# Altium PCB BaseBoard.PcbDoc (part 2 of 3) (continued)
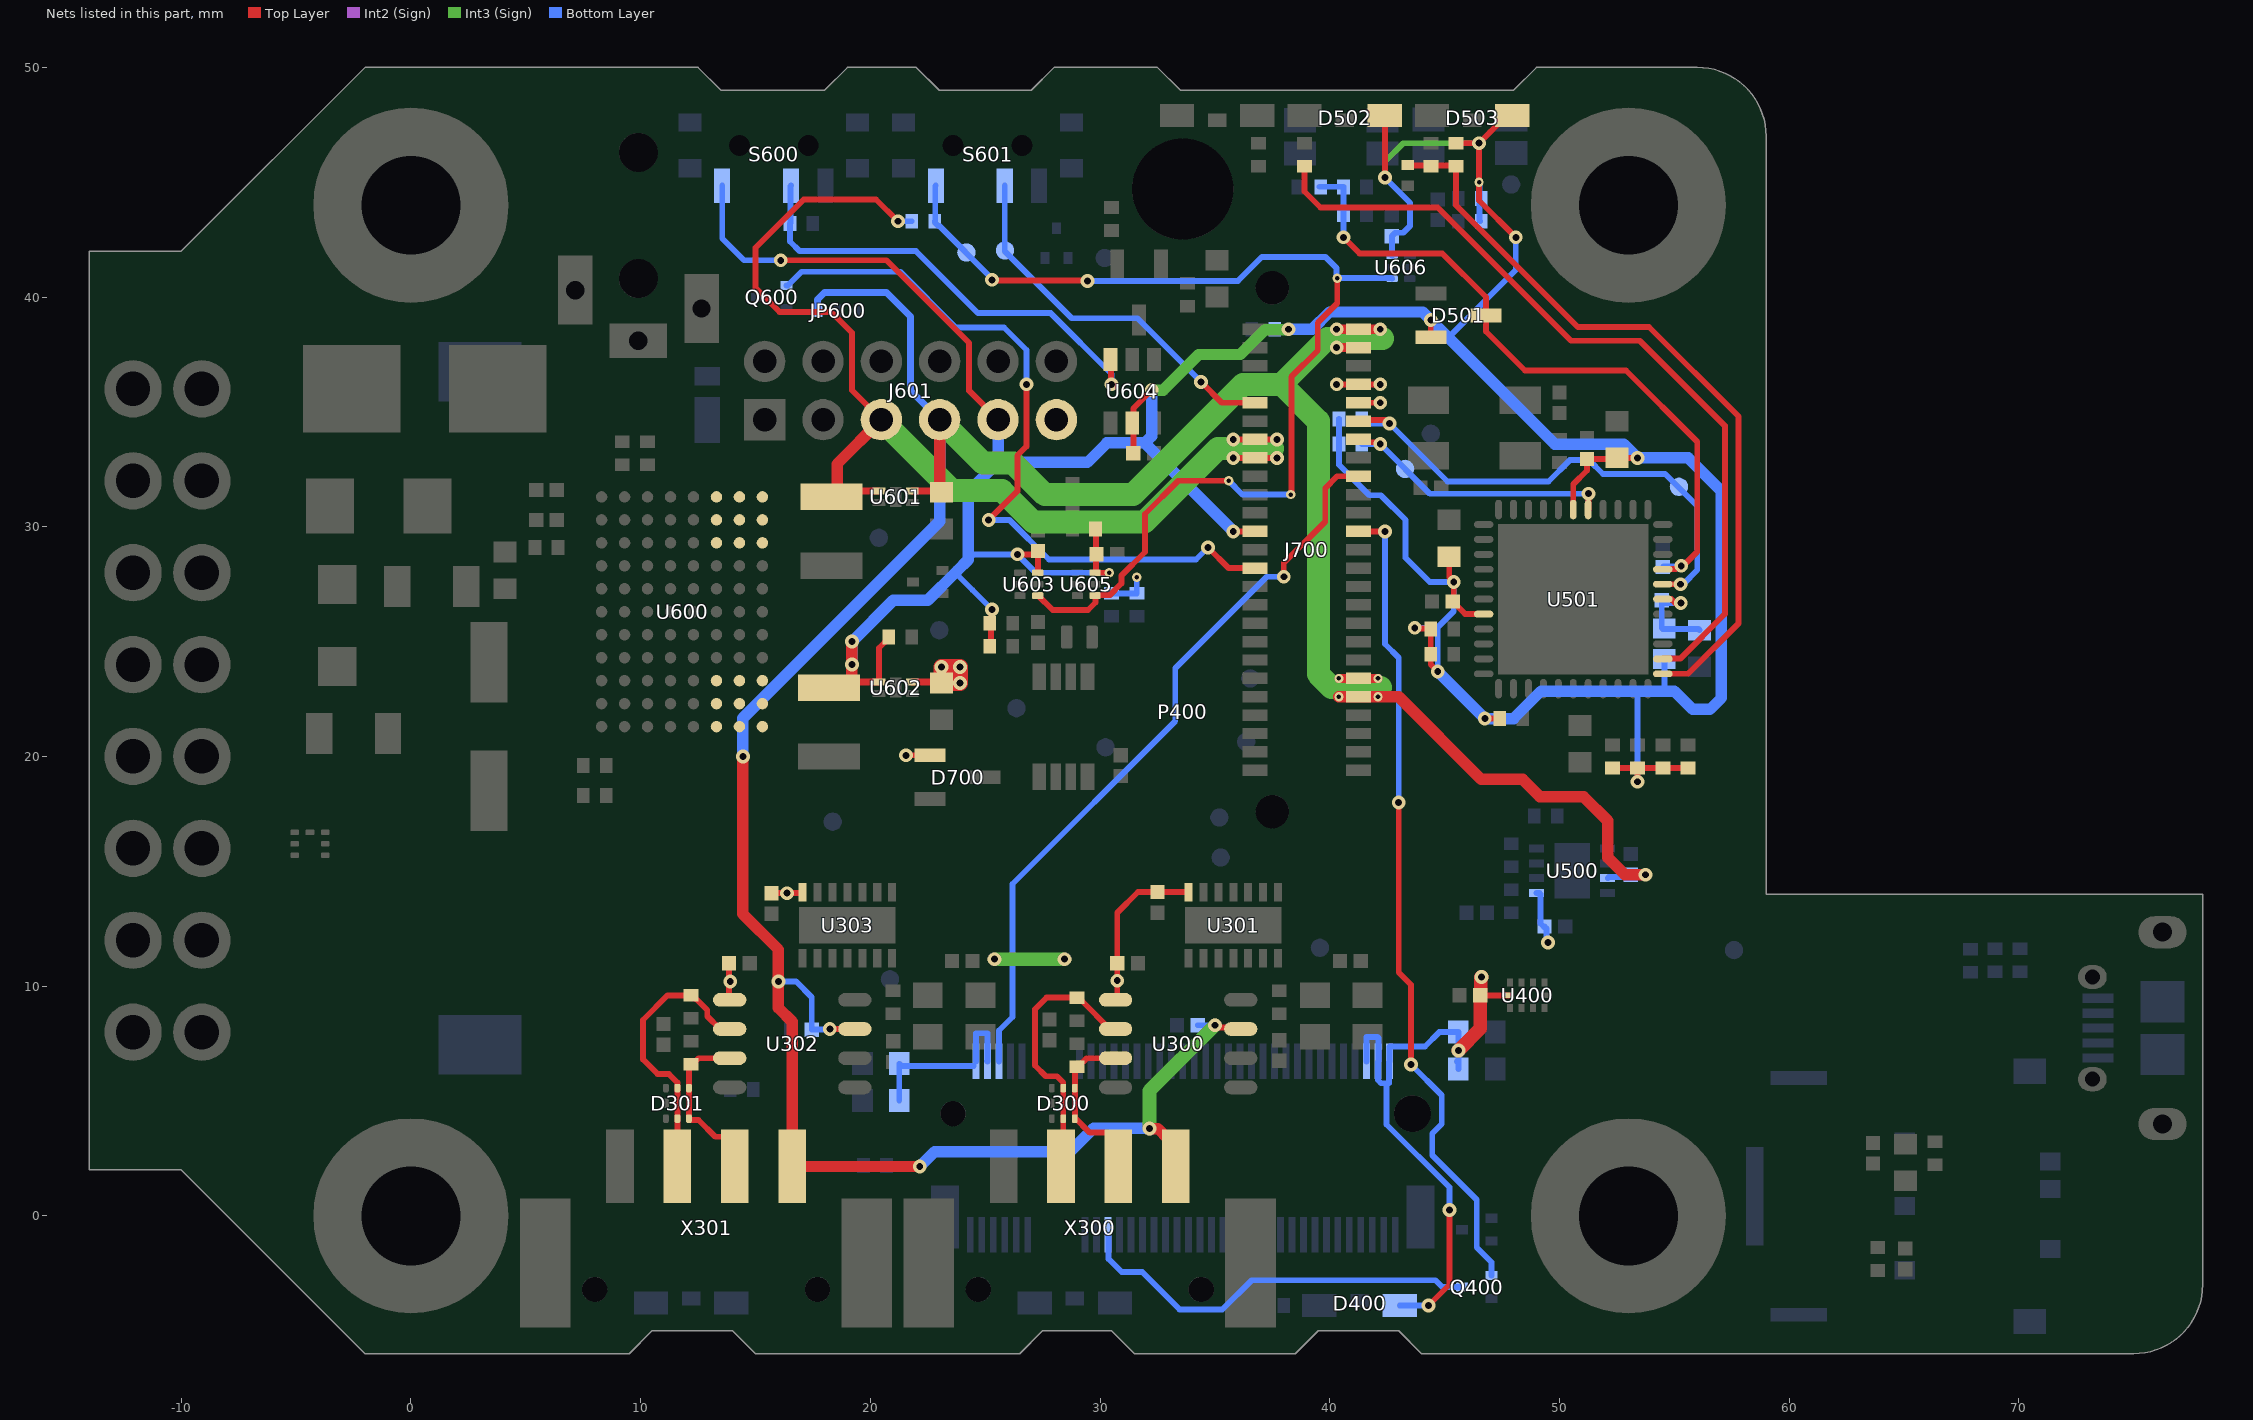
[diagram p4: the nets of this part, all layers, seen from the top]
## Part data (continued)
R507 R510 R512 R516 R517 R518 R519 R520 R604 R608 R609 R610 R614: library part CMP-01074-5, "RC0402 series chip resistor with lead-free terminations made by thick film process", Case=0402, Current Rating=1A, Manufacturer=YAGEO, Manufacturer Part Number=RC0402FR-07100KL, Operating Temperature max=155°C, Operating Temperature min=-55°C, Power Rating=62.5mW, Resistance=100k, Resistance Tolerance=1%, Resistor Element Type="Thick Film", Temperature Coefficient=±100ppm/K, Voltage Rating=50V, Assembly=yes, ComponentLink1Description=Datasheet, ComponentLink1URL=http://www.yageo.com/documents/recent/PYu-RC0402_51_RoHS_L_6.pdf, IPC Footprint Naming=RESC1005X04, Mounting Type=SMT
R603: library part CMP-01034-6, "RC0402 series chip resistor with lead-free terminations made by thick film process", Case="0402 [1005]", Current Rating=1A, Manufacturer=YAGEO, Manufacturer Part Number=RC0402FR-0745K3L, Operating Temperature max=155°C, Operating Temperature min=-55°C, Power Rating=62,5mW, Resistance=45,3k, Resistance Tolerance=1%, Resistor Element Type="Thick Film", Temperature Coefficient=±100ppm/K, Voltage Rating=50V, Assembly=yes, ComponentLink1Description=Datasheet, ComponentLink1URL=http://www.yageo.com/documents/recent/PYu-RC0402_51_RoHS_L_6.pdf, IPC Footprint Naming=RESC1005X04, Mounting Type=SMT
R605: library part CMP-01062-6, "RC0402 series chip resistor with lead-free terminations made by thick film process", Case=0402, Current Rating=1A, Manufacturer=YAGEO, Manufacturer Part Number=RC0402FR-0778K7L, Operating Temperature max=155°C, Operating Temperature min=-55°C, Power Rating=62.5mW, Resistance=78.7k, Resistance Tolerance=1%, Resistor Element Type="Thick Film", Temperature Coefficient=±100ppm/K, Voltage Rating=50V, Assembly=yes, ComponentLink1Description=Datasheet, ComponentLink1URL=http://www.yageo.com/documents/recent/PYu-RC0402_51_RoHS_L_6.pdf, IPC Footprint Naming=RESC1005X04, Mounting Type=SMT
S600 S601: library part CMP-00177-8, "C & K Schiebeschalter PCM12SMTR 1-polig Ein-Ein, 0,3 A @ 6 V dc - Slide Switches 0.3A SPDT ON-ON", Case=PCM12SMTR, Contact Current Rating=300mA, Contact Voltage DC=6V, Manufacturer="C & K", Operating Temperature max=85°C, Operating Temperature min=-20°C, Assembly=yes, ComponentLink1Description=Datasheet, ComponentLink1URL=http://www.ck-components.com/media/1424/pcm.pdf, Contact Form=SPDT, Manufacturer Part Number=PCM12SMTR, Mounting Type=SMT, Number of Position=2, Switch Function="on - on", Switch Type=toggle
SW500 SW600: library part CMP-05618-000001-1, "SWITCH TACTILE SPST-NO 0.05A 12V", Contact Current Rating=50mA, Contact Resistance=500mO, Manufacturer=Panasonic, Operating Force=1.6N, Package=0, Temperature="-20°C to +70°C", Temperature Range High=+70°C, Temperature Range Low=-20°C, Voltage Rating DC=12V, Automotive=No, Category=Switch, ComponentLink2Description=Datasheet, ComponentLink2URL=https://b2b-api.panasonic.eu/file_stream/pids/fileversion/2431, Device Class L1=Electromechanical, Device Class L2=Switches, Device Class L3="Tactile Switches", Digikey Description="SWITCH TACTILE SPST-NO 0.05A 12V", Electromechanical Life=100000Cycles, Height=1.55mm, Lead Free=Yes, Manufacturer Part Number=EVQ-P7J01P, Mount="Surface Mount", Mouser Description="Tactile Switches 3.5x2.9mm Right Ang Light Touch Switch", Octopart=https://octopart.com/evq-p7j01p-panasonic-29917078, RoHS=TRUE, Throw Configuration=SPST-NO
TP300 TP301 TP302 TP303 TP304 TP305 TP306 TP400 TP500 TP501 TP502 TP600 TP601 TP602 TP603 TP604 TP605 TP700 TP701: library part CMP-00390-13, Case="0.8x0.8mm, round", Assembly=no
U300 U302: library part CMP-11035-1, "CAN FD Transceiver with Wake-up Pattern (WUP) Option", Case=SOIC-8, Manufacturer=Microchip, Manufacturer Part Number="MCP2542FD/4FD, MCP2542WFD/4WFD", Operating Temperature max=125°C, Operating Temperature min=-40°C, Supply Voltage max=5,5V, Supply Voltage min=1,7V, Assembly=yes, ComponentLink1Description="Manufacturer Link", ComponentLink1URL=https://www.microchip.com/en-us/product/MCP2542FD, IC Interface Type="CAN FD Transceiver", Mounting Type=SMD
U301 U303: library part CMP-11034-4, "CAN FD Controller with SPI Interface", Case="VDFN14 with exposed pad", Manufacturer=Microchip, Manufacturer Part Number=MCP2518FD, Operating Temperature max=150°C, Operating Temperature min=-40°C, Supply Voltage max=5,5V, Supply Voltage min=2,7V, Assembly=yes, ComponentLink1Description="Manufacturer Link", ComponentLink1URL=https://www.microchip.com/en-us/product/MCP2518FD, IC Interface Type="CAN FD Controller", Mounting Type=SMD, Number of RX Buffers="31 RX/TX combined", Number of TX Buffers="31 RX/TX combined"
U400: library part CMP-11250-2, "Low-Power, Two-Port, High-Speed, USB2.0 (480Mbps) Switch", Case=UQFN10, Manufacturer="ON SEMICONDUCTOR", Manufacturer Part Number=FSUSB43L10X, On State Resistance max=4,5, Operating Temperature max=85°C, Operating Temperature min=-40°C, Supply Voltage max=4,4V, Supply Voltage min=2,4V, Analog Switch Type="USB Two-Port Switch", Assembly=yes, ComponentLink1Description="Manufacturer Link", ComponentLink1URL=https://www.onsemi.com/pdf/datasheet/fsusb43-d.pdf, Mounting Type=SMT, No. of Channels=2:1
U500: library part CMP-06279-000001-1, "IC TRANSCEIVER HALF 1/1 8DFN", Ambient Temperature Range High=+150°C, Ambient Temperature Range Low=-40°C, Manufacturer="Microchip Technology", Max Junction Temp=+190°C, Max Supply Voltage=5.5V, Min Supply Voltage=1.8V, Nominal Supply Current=5-45mA, Package=C04-062, Temperature="-40°C to +125°C", Temperature Range High=+125°C, Automotive=Yes, Automotive Grade="Grade 0", Category=IC, ComponentLink2Description=Datasheet, ComponentLink2URL=http://ww1.microchip.com/downloads/en/DeviceDoc/20005167C.pdf, Device Class L1="Integrated Circuits (ICs)", Device Class L2="Interface ICs", Device Class L3=unset, Digikey Description="IC TRANSCEIVER HALF 1/1 8DFN", Height=1mm, Interface=CAN, Ipc Land Pattern Name=DFN300X300X90-8, Lead Free=Yes, Manufacturer Part Number=MCP2562-E/MF, Mouser Description="CAN Interface IC", Octopart=https://octopart.com/mcp2562-e%2Fmf-microchip-28494619, RoHS=TRUE, Standoff Height=0mm, Temperature Range Low=-40°C
U501: library part CMP-06092-6, "The STN2120 and STN2100 are OBD to UART interpreter ICs designed to provide bi-directional, halfduplex communication with the vehicle¿s On-Board Diagnostic system (OBD-II).", Case=QFN-44, Manufacturer="OBD SOLUTIONS", Manufacturer Part Number=STN2120, Operating Temperature max=85°C, Operating Temperature min=-40°C, Supply Voltage max=3,6V, Supply Voltage min=3V, Assembly=yes, ComponentLink1Description=Datasheet, ComponentLink1URL=https://www.obdsol.com/solutions/chips/stn2120/, Mounting Type=SMT
U600: library part CMP-11023-1, "40VIN, Dual 3.5A or Single 7A Silent Switcher ¿Module Regulator", Case=BGA-88, Input Voltage max=40V, Input Voltage min=3V, Manufacturer="ANALOG DEVICES", Manufacturer Part Number=LTM8024EY#PBF, Operating Temperature max=125°C, Operating Temperature min=-40°C, Output Current max=3,5A, Output Voltage max=8V, Output Voltage min=800mV, Switching Frequency max=3MHz, Assembly=yes, ComponentLink1Description="Manufacturer Link", ComponentLink1URL=https://www.analog.com/media/en/technical-documentation/data-sheets/LTM8024.pdf, DC/DC Converter Topology="Step-Down Switching (Silent Switcher)", Mounting Type=SMT, No. of Outputs=2
U601 U602: library part CMP-11074-2, "1.1 V to 5.5 V, Slew Rate Controlled Load Switch", Case=TDFN4, Input Voltage max=5,5V, Input Voltage min=1,1V, Manufacturer="Vishay Siliconix", Manufacturer Part Number=SiP32408DNP-T1-GE4, Operating Temperature max=85°C, Operating Temperature min=-40°C, Output Current max=3,5A, Assembly=yes, ComponentLink1Description="Manufacturer Link", ComponentLink1URL=https://www.vishay.com/product?docid=63717, Mounting Type=SMD, No. of Outputs=1, Output Voltage max=5,5V, Output Voltage min=1,1V
U603 U605 U606: library part CMP-0859-00833-3, "Single Buffer/Driver With Open-Drain Output, DRY0006A, LARGE T&R", F @ Nom Voltage(Max)(Mhz)=150, Generic Part Number=SN74LVC1G07, ICC @ Nom Voltage(Max)(mA)=0.01, Manufacturer="Texas Instruments", Operating Temperature Range(C)="-40 to 125,-40 to 85", Rating=Catalog, tpd @ Nom Voltage(Max)(ns)=8.6,6,4.7,4, Voltage(Nom)(V)=1.8,2.5,3.3,5, 3-State Output=No, Bits(#)=1, DatasheetVersion=SCES296AC, Input Type=CMOS/TTL, Logic=True, Output Drive (IOL/IOH)(Max)(mA)=32/-32, Output Type=CMOS, PackageReference=DRY0006A, PartId=1, Schmitt Trigger=No, Sub-Family="Non-Inverting Buffer/Driver", Technology Family=LVC, VCC(Max)(V)=5.5, VCC(Min)(V)=1.65
U604: library part CMP-0859-00214-1, "Single 3-Input Positive-NOR Gate, DBV0006A, LARGE T&R", F @ Nom Voltage(Max)(Mhz)=150, ICC @ Nom Voltage(Max)(mA)=0.01, Operating Temperature Range(C)="-40 to 125,-40 to 85", Part Number=SN74LVC1G27, Rating=Catalog, tpd @ Nom Voltage(Max)(ns)=20.5,7.1,5.4,3.6, Voltage(Nom)(V)=1.8,2.5,3.3,5, 3-State Output=No, Bits(#)=1, ComponentLink1Description="Manufacturer URL", ComponentLink1URL=http://www.ti.com/, ComponentLink2Description=Datasheet, ComponentLink2URL=http://www.ti.com/lit/ds/symlink/sn74lvc1g27.pdf, DatasheetVersion=SCES488E, Gate Type=OR, Input Type=CMOS/TTL, Logic=True, Output Drive (IOL/IOH)(Max)(mA)=32/-32, Output Type=CMOS, PackageReference=DBV0006A, PartId=1, PartNumber=SN74LVC1G27DBVR, Schmitt Trigger=No, Sub-Family="NOR Gate", Technology Family=LVC, VCC(Max)(V)=5.5, VCC(Min)(V)=1.65
U700: library part CMP-10083-000008-1, "IC RTC CLK/CALENDAR I2C 8TSSOP", Ambient Temperature Range High=+85°C, Ambient Temperature Range Low=-40°C, Frequency=32.768kHz, Manufacturer="NXP Semiconductors", Max Supply Voltage=5.5V, Min Supply Voltage=0.9V, Nominal Supply Current=0.22-18uA, Package=SOT505-1, Temperature="-40°C to +85°C", Automotive=No, Category=IC, ComponentLink2Description=Datasheet, ComponentLink2URL=https://www.nxp.com/docs/en/data-sheet/PCF85063A.pdf, Device Class L1="Integrated Circuits (ICs)", Device Class L2="Clock and Timing", Device Class L3="Real Time Clocks", Digikey Description="IC RTC CLK/CALENDAR I2C 8TSSOP", Footprint Url=https://www.nxp.com/docs/en/package-information/SOT505-1.pdf, Height=1.1mm, Interface=I2C, Lead Free=Yes, Manufacturer Part Number=PCF85063ATT/AJ, Mouser Description="Real Time Clock Serial Clock/Calendar/Alarm/Timer/Interrupt 8-Pin TSSOP T/R", Number of Outputs=1, Octopart=https://octopart.com/pcf85063att%2Faj-nxp+semiconductors-46729225, RoHS=TRUE, Standoff Height=0.05mm, Temperature Range High=+85°C, Temperature Range Low=-40°C
X300 X301: library part CMP-11116-1, "Leiterplatten-Grundleiste - PTSM 0,5/ 4-HH-2,5-SMD R32", Current Rating=6A, Manufacturer="Phoenix Contact", Manufacturer Part Number=1778780, Operating Temperature max=100°C, Operating Temperature min=-40°C, Voltage Rating=160V, Assembly=yes, ComponentLink1Description="Manufacturer Link", ComponentLink1URL=https://www.phoenixcontact.com/online/portal/de/?uri=pxc-oc-itemdetail:pid=1778780&library=dede&pcck=P-11-02-11&tab=1&selectedCategory=ALL#Umgebungsbedingungen, Gender=Male, Mounting Type=SMD, Number of Pins=4, Number of Rows=1, Pitch Spacing=2,5mm
X400: library part CMP-06150-9, "SIM-Kartenleser aufklappbar und sperrfähig", Case=SIM-Kartenhalter, Current Rating=700mA, Manufacturer=JST, Manufacturer Part Number=SCZW-7SA-1K(HF), Operating Temperature max=85°C, Operating Temperature min=-25°C, Assembly=yes, ComponentLink1Description=Datasheet, ComponentLink1URL=http://www.farnell.com/datasheets/2280558.pdf, Memory Type=SIM, Mounting Type=SMT, Number of Pins=7, Number of Rows=0, Pitch Spacing=0mm
X500: library part CMP-1688-00003-1, "Ceramic SMD Crystal, 16 MHz, +/- 20 ppm, 50 Ohm, -20 to 70 degC, 4-Pin SMD, RoHS, Tape and Reel", Case/Package=5028, Current Rating="1.82 A", Max Operating Temperature=105degC, Min Operating Temperature=-40degC, Package Quantity=500, Resistance="0.033 Ohm", Tolerance=30%, ComponentLink1Description="Manufacturer URL", ComponentLink1URL=http://www.abracon.com/, ComponentLink2Description=Datasheet, ComponentLink2URL=http://www.abracon.com/Resonators/abm3b.pdf, DatasheetVersion=Aug-15, Height="2.8 mm", Length="0.197 inch", Mount="Surface Mount", PackageDescription="4-Pin Surface Mount Device, Body 5 x 3.2 mm", PackageReference=ABM3B, Packaging="Tape and Reel", REACH SVHC=Unknown, RoHSCompliant=True, Shielding=Shielded, Width="0.197 inch"
X501: library part CMP-11115-2, "OBD-2 Stiftblock männlich PCB TH PKW Typ A", Case=OBD-II-16M, Manufacturer="Comtech Electronic Co. /Ltd.", Manufacturer Part Number=110169, Operating Temperature max=85°C, Operating Temperature min=-40°C, Socket for Case Type=OBD-2, Assembly=yes, ComponentLink1Description="Manufacturer Link", ComponentLink1URL=https://www.obd2-shop.eu/product_info.php/cPath/21_65_69/products_id/169, Mounting Type=THT, Number of Position=16, Number of Rows=2, Pitch Spacing=4mm
Y300 Y301: library part CMP-40224-000004-1, "CRYSTAL 20.0000MHZ 18PF SMD", Frequency=20MHz, Load Capacitance=18pF, Manufacturer="ECS International", Package=ECX-33Q, Temperature="-55°C to +125°C", Temperature Range High=+125°C, Temperature Range Low=-55°C, Tolerance=30ppm, Automotive=Yes, Automotive Grade="Grade 1", Category=Crys, ComponentLink2Description=Datasheet, ComponentLink2URL=https://ecsxtal.com/store/pdf/ECX-33Q.pdf, Device Class L1="Passive Components", Device Class L2="Crystals / Oscillators", Device Class L3=Crystals, Digikey Description="CRYSTAL 20.0000MHZ 18PF SMD", ESR=60O, Height=0.8mm, Lead Free=Yes, Manufacturer Part Number=ECS-200-18-33Q-DS, Mouser Description="Crystals 20.000MHz 18pF 100ppm -40 to 125C", Octopart=https://octopart.com/ecs-200-18-33q-ds-ecs+international-29290571, RoHS=TRUE, Series=ECX-33Q, Stability=100ppm
Y700: library part CMP-00465-3, "Crystals 32.768KHz 9.0pF 20ppm -40C +85C", Case="2-SMD (1.60mm x 1.00mm)", Frequency=32.768kHz, Frequency Stability=0, Frequency Tolerance=20ppm, Load Capacitance (CL)=12.5pF, Manufacturer=ABRACON, Manufacturer Part Number=ABS05-32.768KHZ-9-T, Operating Temperature max=85°C, Operating Temperature min=-40°C, Assembly=yes, ComponentLink1Description=Datasheet, ComponentLink1URL=http://www.mouser.com/ds/2/3/ABS05-25797.pdf, Mounting Type=SMT

## Via types
v1: diameter 0.6, hole 0.3, Top Layer to Bottom Layer, tented both sides, 284 vias
v2: diameter 0.5, hole 0.2, Top Layer to Bottom Layer, 50 vias
v3: diameter 0.6, hole 0.3, Top Layer to Bottom Layer, tented top, 33 vias
v4: diameter 0.4, hole 0.2, Top Layer to Bottom Layer, tented both sides, 32 vias
v5: diameter 0.6, hole 0.3, Top Layer to Bottom Layer, 6 vias
v6: diameter 0.5, hole 0.2, Top Layer to Bottom Layer, tented bottom, 2 vias
v7: diameter 0.4, hole 0.2, Top Layer to Bottom Layer, tented top, 2 vias

## Nets (pads, with @x,y where several pads share a name; then routed paths per layer and width w, separated by ;. In a path a pad name is that pad's centre, name@x,y a point inside that pad or via, vN(x,y) a via of type N, cw(c..) or ccw(c..) an arc to the next point about the centre after c; other vN are vias at no path point)
3V3: C304.2 C305.2 C307.2 C308.2 C400.1 C401.1 C402.2 C403.1 C404.1 C500.2 C609.1 D400.A D700.1 J601.11 J700.41 J700.43 P400.2 P400.4 P400.70 P400.72 P400.74 R700.2 R701.2 U300.5 U301.14 U302.5 U303.14 U400.10 U500.5 U602.4 | length 62.4
  Top Layer w0.254: C307.2@13.85,11 13.85,9.43 U302.5@13.875,9.405 ; C308.2@15.7,14.05 v1(16.366,14.05) 17.032,14.05 U303.14@17.042,14.04 ; v1(21.55,20.05) D700.1@22.6,20.05 ; U300.5@30.675,9.405 30.75,9.48 v1(30.75,10.24) C304.2@30.75,11 30.75,13.2 31.65,14.1 C305.2@32.5,14.1 33.802,14.1 33.85,14.052 U301.14@33.85,14.04 ; v1(40.3,36.2) J700.43@41.25,36.2 v1(42.2,36.2) ; J700.41@41.25,35.4 v1(42.2,35.4) ; v1(44.3,-3.9) 45.212,-2.988 v1(45.212,0.254) ; C402.2@46.55,9.6 U400.10@47.79,9.6 ; v1(49.5,11.9) v1@49.5,12
  Top Layer w0.3: U602.4@21.825,23.25 C609.1@23.05,23.25
  Top Layer w0.6: v1(45.6,7.2) 46.55,8.15 C402.2@46.55,9.6 46.575,9.625 46.575,10.375 v1(46.6,10.4)
  Top Layer w0.7: C609.1@23.05,23.25 23.1,23.3 v1(23.1,23.9) v1(23.9,23.9) v1(23.9,23.2) C609.1@23.1,23.2 C609.1@23.05,23.25
  Int3 (Sign) w0.6: v1(25.4,11.176) v1(28.448,11.176)
  Bottom Layer w0.254: C400.1@21.255,5.025 C401.1@21.255,6.625 21.357,6.523 P400.2@24.5,6.523 ; P400.2@24.6,6.725 24.6,7.95 25.1,7.95 P400.4@25.1,6.725 P400.4@25.077,6.748 ; R701.2@30.5,27.1 R700.2@31.6,27.1 v4(31.6,27.8) ; P400.70@41.6,6.725 41.6,7.79 42.073,7.79 42.123,7.74 42.123,6.748 P400.72@42.1,6.725 42.1,5.912 42.235,5.777 42.406,5.777 ; D400.A@43.05,-3.9 v1(44.3,-3.9) ; v1(45.212,0.254) 45.212,1.244 42.473,3.983 42.473,5.71 42.406,5.777 ; C404.1@45.525,6.725 C404.1@45.6,6.8 ; v1(45.6,7.2) C404.1@45.6,6.8 ; U500.5@49,14.05 49.127,14.05 49.175,14.002 49.175,12.725 C500.2@49.325,12.575 ; C500.2@49.35,12.6 49.434,12.516 49.434,11.966 v1(49.5,11.9) ; 42.406,5.777 42.577,5.777 42.577,6.702 P400.74@42.6,6.725 42.6,7.35 42.623,7.373 44.142,7.373 44.769,8 C403.1@45.6,8 C404.1@45.6,6.4 C404.1@45.6,6.8
  other v1: 13.9,10.2
3V3_PO: C504.1 C505.1 C506.2 C507.2 C608.2 C612.1 C613.1 C614.1 C616.1 D501.2 D502.A D503.A FB500.1 J601.9 J700.28 R506.1 R507.2 R508.2 R509.1 R510.2 R512.2 R516.2 R517.2 R518.2 R519.2 R520.2 R604.2 R606.2 R607.2 R609.2 R611.2 R612.2 S600.1 U501.28 U501.40 U600.J6 U600.J7 U600.J8 U600.K6 U600.K7 U600.K8 U600.L6 U600.L7 U600.L8 U602.1 U603.6 U604.5 U605.6 U606.6 | length 190.1
  Top Layer w0.254: v1(16.1,41.6) 20.7,41.6 24.3,38 24.3,35.92 J601.9@25.56,34.66 ; C608.2@18.2,23 18.752,23 19.002,23.25 C608.2@19.2,23.448 ; U602.1@20.375,23.25 20.375,24.725 20.8,25.15 R604.2@20.8,25.2 ; R606.2@25.25,24.8 25.25,25.8 25.275,25.825 25.275,26.375 v1(25.3,26.4) ; v1(26.4,28.8) 27.259,28.8 27.292,28.767 27.292,28.007 U603.6@27.285,28 ; U605.6@29.785,28 U605.6@29.795,28 ; R609.2@29.8,29.95 R609.2@29.8,29.9 29.825,29.875 29.825,28.775 29.818,28.768 29.818,28.023 U605.6@29.795,28 ; v4(30.4,28) U605.6@29.795,28 ; C613.1@31.45,33.2 31.45,35.15 v1(32.25,35.95) ; v1(35.8,29.8) J700.28@36.75,29.8 ; v1(42.4,45.2) D502.A@42.4,47.9 ; v1(43.7,25.6) 43.725,25.575 44.375,25.575 R520.2@44.4,25.55 R519.2@44.4,24.45 44.4,24 v1(44.7,23.7) ; D501.2@44.4,38.25 v1(44.4,39) ; C505.1@45.2,28.7 45.2,27.8 v1(45.4,27.6) 45.4,26.8 C507.2@45.35,26.75 45.892,26.208 46.692,26.208 U501.40@46.7,26.2 ; R512.2@45.5,46.7 v1(46.5,46.7) ; v1(46.75,21.65) R508.2@47.4,21.65 ; D503.A@47.95,47.9 47.7,47.9 46.982,47.182 v1(46.5,46.7) ; v1(48.1,42.6) 46.5,44.2 v4(46.5,45) v1(46.5,46.7) ; U501.28@50.6,30.75 50.6,31.85 51.2,32.45 C506.2@51.2,32.95 52.45,32.95 C504.1@52.5,33 v1(53.4,33) ; R510.2@52.3,19.5 R518.2@53.4,19.5 ; v1(53.4,18.9) R518.2@53.4,19.5 ; R517.2@55.6,19.5 R516.2@54.5,19.5 R518.2@53.4,19.5
  Top Layer w0.3: C608.2@19.002,23.25 U602.1@20.375,23.25
  Top Layer w0.5: C608.2@19.2,23.448 v1(19.2,24) v1(19.2,25)
  Int3 (Sign) w0.254: v1(42.4,45.2) 42.4,45.9 43.2,46.7 v1(46.5,46.7)
  Int3 (Sign) w0.5: v1(32.25,35.95) 32.75,35.95 34.3,37.5 36.1,37.5 37.181,38.581 38.181,38.581 v1(38.2,38.6)
  Bottom Layer w0.254: S600.1@13.55,44.85 13.55,42.55 14.5,41.6 v1(16.1,41.6) ; 23.775,28.075 23.775,27.925 24.45,27.25 v1(25.3,26.4) ; 24.26,28.56 24.5,28.8 v1(26.4,28.8) 27.2,28 v4(30.4,28) ; R507.2@37.6,38.6 v1(38.2,38.6) ; R506.1@40.4,34.7 R509.1@40.4,33.6 40.4,32.7 41.725,31.375 42.225,31.375 43.3,30.3 43.3,28.65 44.35,27.6 v1(45.4,27.6) 45.4,26.319 44.681,25.6 ; v1(42.4,45.2) 43.5,44.1 43.5,43.1 43.2,42.8 42.85,42.8 C616.1@42.7,42.65 42.715,42.635 U606.6@42.715,41.8 ; v1(43.7,25.6) 44.681,25.6 ; v1(44.7,23.7) 44.7,25.581 44.681,25.6 ; 45.2,38.2 45.2,38.278 48.1,41.178 v1(48.1,42.6) ; v4(46.5,45) 46.525,44.975 46.525,43.325 R612.2@46.55,43.3 ; 53.35,22.85 53.4,22.8 v1(53.4,18.9) ; 54.57,22.78 FB500.1@54.57,24.235
  Bottom Layer w0.5: v1(19.2,24) v1(19.2,25) 21,26.8 22.5,26.8 23.775,28.075 24.26,28.56 24.26,31.5 25.56,32.8 ; J601.9@25.56,34.66 25.56,32.8 ; v1(32.25,35.95) 32.25,33.95 31.95,33.65 ; v1(35.8,29.8) 31.95,33.65 ; v1(38.2,38.6) 39.239,38.6 39.989,39.35 44.05,39.35 v1(44.4,39) 45.2,38.2 49.8,33.6 52.8,33.6 v1(53.4,33) 55.6,33 57.05,31.55 57.05,22.55 56.55,22.05 55.8,22.05 55,22.85 53.35,22.85 49.2,22.85 48,21.65 v1(46.75,21.65) ; v1(44.7,23.7) v1(46.75,21.65) ; 25.56,32.8 29.45,32.8 30.3,33.65 31.95,33.65
5V: C306.2 C309.2 C501.2 C605.1 J601.7 J700.9 J700.11 J700.47 J700.49 JP600.3 U300.3 U302.3 U500.3 U601.4 X300.4 X301.4 | length 145.5
  Top Layer w0.254: v1(18.235,8.135) U302.3@19.325,8.135 ; v1(35,8.3) 35.094,8.3 35.192,8.201 36.059,8.201 U300.3@36.125,8.135
  Top Layer w0.3: U601.4@21.825,31.55 C605.1@23.05,31.55 ; C605.1@23.02,31.58 C605.1@23.05,31.55 ; C605.1@23.1,31.5 C605.1@23.05,31.55
  Top Layer w0.4: v1(40.3,37.8) J700.47@41.25,37.8 ; v1(40.3,38.6) v1(42.2,38.6) ; v4(40.4,23.4) v4(42.1,23.4)
  Top Layer w0.5: v1(14.45,20) 14.45,13.144 16,11.594 v1(16,10.2) 16,9.05 16.6,8.45 X301.4@16.6,2.827 ; X301.4@16.6,2.15 v1(22.15,2.15) ; C605.1@23.02,31.58 J601.7@23.02,34.66 ; v1(32.15,3.8) 32.522,3.8 32.95,3.372 32.95,3.058 33.3,2.708 X300.4@33.3,2.15 ; v4(40.4,22.6) J700.9@41.25,22.6 v4(42.1,22.6) 43,22.6 46.6,19 48.4,19 49.15,18.25 51.05,18.25 52.1,17.2 52.1,15.6 52.85,14.85 v1(53.75,14.85)
  Int2 (Sign) w0.254: v1@18.2,8.1 v1(18.235,8.135)
  Int3 (Sign) w0.6: v1(32.15,3.8) 32.15,5.45 v1(35,8.3)
  Int3 (Sign) w1: J601.7@23.02,34.66 24.91,32.77 26.227,32.77 27.597,31.4 31.43,31.4 36.23,36.2 37.9,36.2 ; 42.2,23 40.086,23 39.5,23.586 39.5,34.6 37.9,36.2 ; 42.3,38.2 39.9,38.2 37.9,36.2
  Bottom Layer w0.254: v1(16,10.2) 16.77,10.2 17.45,9.52 C309.2@17.45,8.1 17.467,8.117 18.217,8.117 v1(18.235,8.135) ; C306.2@34.25,8.3 v1(35,8.3) ; U500.3@52.1,14.7 52.148,14.748 52.998,14.748 C501.2@53.1,14.85 v1(53.75,14.85)
  Bottom Layer w0.3: JP600.3@17.7,39.4 17.7,39.9 18,40.2 20.7,40.2 21.75,39.15 21.75,35.93 J601.7@23.02,34.66
  Bottom Layer w0.5: v1(14.45,20) 14.45,21.669 23.02,30.239 J601.7@23.02,34.66 ; v1(22.15,2.15) 22.8,2.8 28.708,2.8 29.718,3.81 32.14,3.81 v1(32.15,3.8)
5V_PO: C604.2 J601.5 J700.36 J700.38 R608.2 U600.A6 U600.A7 U600.A8 U600.B6 U600.B7 U600.B8 U600.C6 U600.C7 U600.C8 U601.1 | length 49.1
  Top Layer w0.254: J601.5@20.48,34.66 19.2,35.94 19.2,38.45 18.3,39.35 16.05,39.35 15,40.4 15,42.15 17.1,44.25 20.25,44.25 v1(21.2,43.3) ; v1(35.8,33) J700.36@36.75,33 v1(37.7,33) ; v1(35.8,33.8) v1(37.7,33.8)
  Top Layer w0.3: C604.2@18.55,31.55 U601.1@20.375,31.55
  Top Layer w0.5: C604.2@18.55,31.55 18.55,32.73 J601.5@20.48,34.66
  Int3 (Sign) w0.254: J601.5@20.48,34.66 J601.5@20.48,34.88
  Int3 (Sign) w1: J601.5@20.48,34.66 23.57,31.57 25.73,31.57 27.1,30.2 31.927,30.2 35.127,33.4 37.5,33.4
  Bottom Layer w0.254: v1(21.2,43.3) R608.2@21.8,43.3
\LED_HOST_ACT: R511.1 U501.13 | length 35.3
  Top Layer w0.254: R511.1@38.9,45.7 38.9,44.6 39.6,43.9 44.7,43.9 50.5,38.1 53.5,38.1 57.2,34.4 57.2,26.2 55.259,24.259 54.509,24.259 U501.13@54.5,24.25
\LED_OBD_ACT/RST_NUM: JP500.2 R512.1 R513.1 U501.12 | length 33.1
  Top Layer w0.254: JP500.2@43.4,45.75 43.425,45.725 45.475,45.725 R512.1@45.5,45.7 45.5,44 50.8,38.7 53.9,38.7 57.8,34.8 57.8,25.8 55.6,23.6 U501.12@54.5,23.6
\RESET: J700.39 R506.2 TP501.1 U501.18 | length 22.9
  Top Layer w0.254: J700.39@41.25,34.6 41.3,34.65 42.45,34.65 v1(42.6,34.5) ; U501.18@54.5,27.5 v1(55.269,27.5)
  Bottom Layer w0.254: R506.2@41.4,34.7 41.6,34.5 v1(42.6,34.5) 45.127,31.973 49.523,31.973 50.45,32.9 51.3,32.9 51.9,32.3 54.6,32.3 56,30.9 56,28.113 55.387,27.5 v1(55.269,27.5)
\SLEEP: J700.37 R509.2 TP502.1 U501.27 | length 12.5
  Top Layer w0.254: J700.37@41.25,33.8 41.373,33.677 42.029,33.677 42.106,33.6 v1(42.2,33.6) ; U501.27@51.25,30.75 51.259,30.759 v1(51.259,31.441)
  Bottom Layer w0.254: R509.2@41.4,33.6 v1(42.2,33.6) 44.359,31.441 v1(51.259,31.441)
ALWAYS_ON: R610.2 S600.2 U604.3 | length 20.4
  Top Layer w0.254: U604.3@30.45,37.275 30.475,37.25 30.475,36.225 v1(30.5,36.2)
  Bottom Layer w0.254: S600.2@16.55,44.85 16.525,44.825 16.525,43.225 R610.2@16.5,43.2 16.5,42.42 16.92,42 21.99,42 24.69,39.3 27.85,39.3 30.5,36.65 v1(30.5,36.2)
ANALOG_IN: C503.2 D501.3 R502.1 R503.1 R505.1 U501.19 | length 30.7
  Top Layer w0.254: v1(40.6,42.6) 41.3,41.9 44.9,41.9 46.8,40 D501.3@46.8,39.2 46.8,38.5 48.5,36.8 52.9,36.8 56,33.7 56,28.913 55.387,28.3 v1(55.3,28.3) 55.206,28.3 55.065,28.159 U501.19@54.509,28.159
  Bottom Layer w0.254: R502.1@39.55,44.8 R503.1@40.6,44.8 R505.1@40.6,43.6 v1(40.6,42.6) ; C503.2@54.525,28.275 55.275,28.275 v1(55.3,28.3) v1@55.387,28.3
AVDD: C508.1 C509.2 FB500.2 U501.17 | length 4.6
  Top Layer w0.254: U501.17@54.5,26.85 54.87,26.85 55.036,26.684 v1(55.284,26.684)
  Bottom Layer w0.254: v1(55.284,26.684) 54.566,26.684 C509.2@54.45,26.8 54.45,25.6 54.5,25.55 56.05,25.55 C508.1@56.1,25.5
CANH_1: D300.1 D300.6 R300.2 U300.7 X300.3 | length 7.5
  Top Layer w0.254: D300.6@28.9,4.235 28.902,4.237 D300.1@28.902,5.565 ; D300.6@28.9,4.335 28.9,4.279 29.556,3.623 30.327,3.623 30.8,3.15 X300.3@30.8,2.15 ; D300.1@28.902,5.665 28.902,6.402 R300.2@29,6.5 29.05,6.5 29.415,6.865 U300.7@30.675,6.865
CANH_2: D301.1 D301.6 R303.2 U302.7 X301.3 | length 7.6
  Top Layer w0.254: U302.7@13.875,6.865 12.515,6.865 12.25,6.6 R303.2@12.2,6.6 12.102,6.502 12.102,4.237 D301.6@12.1,4.235 12.1,4.179 12.102,4.177 12.523,4.177 13.252,3.448 13.627,3.448 14.1,2.975 X301.3@14.1,2.15
CANL_1: D300.2 D300.5 R301.1 U300.6 X300.2 | length 12
  Top Layer w0.254: X300.2@28.3,2.15 28.4,2.25 D300.5@28.4,4.235 D300.2@28.4,5.565 28.398,5.567 28.398,5.803 28.124,6.077 27.636,6.077 27.163,6.55 27.163,8.995 27.668,9.5 R301.1@29,9.5 29.148,9.352 29.21,9.352 30.427,8.135 U300.6@30.675,8.135
CANL_2: D301.2 D301.5 R304.1 U302.6 X301.2 | length 12.3
  Top Layer w0.254: X301.2@11.6,2.15 D301.5@11.6,4.235 D301.2@11.6,5.565 11.598,5.567 11.598,5.803 11.228,6.173 10.74,6.173 10.1,6.813 10.1,8.532 11.168,9.6 R304.1@12.2,9.6 12.348,9.452 12.41,9.452 12.897,8.965 12.897,8.688 13.45,8.135 U302.6@13.875,8.135
DPR: P400.25 Q400.D | length 18
  Bottom Layer w0.254: P400.25@30.35,-0.825 30.373,-0.848 30.373,-1.877 30.942,-2.446 31.834,-2.446 33.465,-4.077 35.323,-4.077 36.6,-2.8 44.6,-2.8 44.9,-3.1 Q400.D@45.755,-3.1
DPR_SUPPORT_LTE: J700.27 Q400.G | length 35.9
  Top Layer w0.254: J700.27@41.25,29.8 v1(42.4,29.8) ; v1(43,18) 43,10.6 43.539,10.061 v1(43.539,6.592)
  Int2 (Sign) w0.254: v1@42.4,29.706 v1(42.4,29.8)
  Bottom Layer w0.254: v1(42.4,29.8) 42.4,24.9 43,24.3 v1(43,18) ; v1(43.539,6.592) 44.877,5.253 44.877,4 44.46,3.583 44.46,2.64 46.4,0.7 46.4,-1.372 47.045,-2.017 Q400.G@47.045,-2.6
ENABLES_OD: R608.1 S601.1 TP601.1 U603.4 U605.4 U606.4 | length 49.2
  Top Layer w0.254: v1(25.3,40.75) 25.325,40.725 29.425,40.725 v1(29.45,40.7) ; U603.4@27.285,27 27.313,27 27.94,26.373 29.473,26.373 29.8,26.7 29.8,26.985 U605.4@29.785,27 29.808,27.023 30.423,27.023 30.927,27.527 30.927,27.872 31.952,28.898 31.952,30.552 33.4,32 35.055,32 v4(35.6,32) ; v4(38.3,31.4) 38.327,31.427 38.327,36.527 39.478,37.678 39.478,38.878 40.327,39.727 v4(40.327,40.823)
  Bottom Layer w0.254: S601.1@22.85,44.85 22.825,44.825 22.825,43.325 R608.1@22.8,43.3 22.8,43.25 22.948,43.102 22.998,43.102 25.3,40.8 v1(25.3,40.75) ; v1(29.45,40.7) 36,40.7 37.05,41.75 39.808,41.75 40.299,41.259 40.299,40.851 v4(40.327,40.823) 42.692,40.823 U606.4@42.715,40.8 ; v4(35.6,32) 36.2,31.4 v4(38.3,31.4)
FAN: J700.24 Q600.G | length 33.1
  Top Layer w0.254: v1(25.15,30.3) 26.4,31.55 26.4,33.1 26.8,33.5 v1(26.8,36.2) ; v1(34.7,29.1) 35.6,28.2 J700.24@36.75,28.2
  Bottom Layer w0.254: Q600.G@16.345,40.5 16.4,40.5 17,41.1 21.3,41.1 23.727,38.673 25.822,38.673 26.8,37.695 v1(26.8,36.2) ; v1(25.15,30.3) 26.05,30.3 27.777,28.573 34.173,28.573 v1(34.7,29.1)
FULL_CARD_POWER_OFF_LTE: J700.33 P400.6 | length 32.9
  Top Layer w0.254: v1(38,27.825) 38,28.42 39.8,30.22 39.8,31.681 40.319,32.2 J700.33@41.25,32.2
  Bottom Layer w0.254: P400.6@25.6,6.725 25.6,8.074 26.188,8.662 26.188,14.452 33.274,21.537 33.274,23.845 37.254,27.825 v1(38,27.825)
GLOBAL_EN: J700.42 S601.2 TP602.1 | length 16.5
  Top Layer w0.254: v1(34.4,36.3) 35.3,35.4 J700.42@36.75,35.4
  Bottom Layer w0.254: S601.2@25.85,44.85 25.85,41.992 28.767,39.075 31.625,39.075 v1(34.4,36.3)